# KiCad board AmigaPCI Mainboard.kicad_pcb (continued)
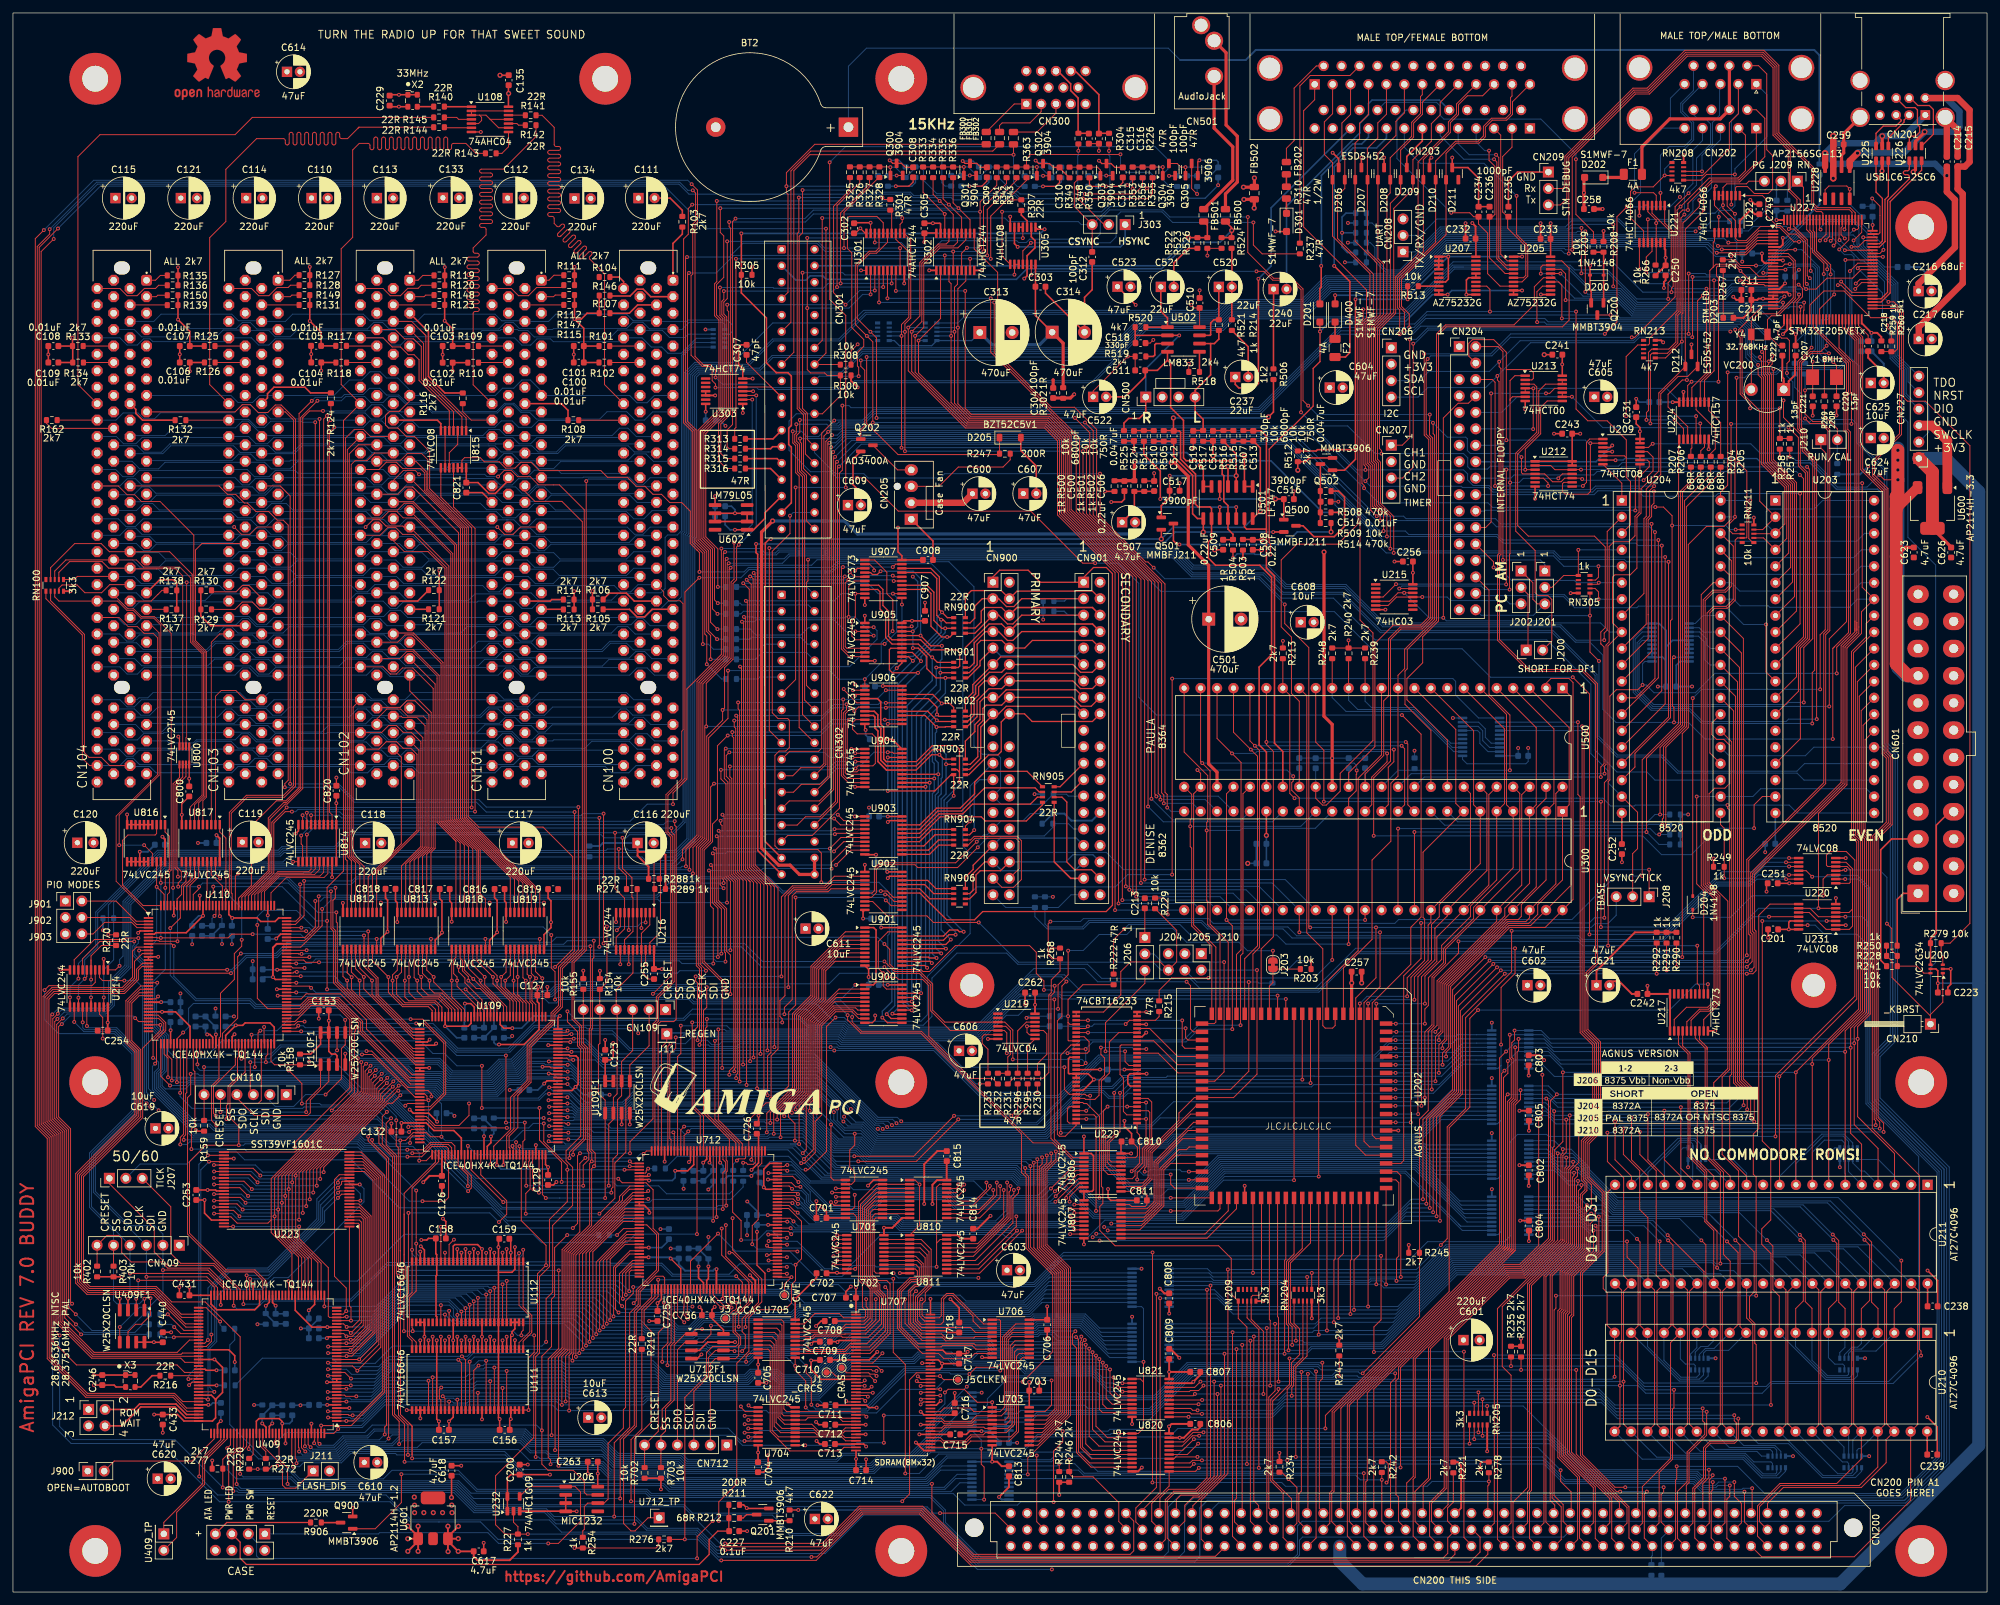
[diagram p0: board, top side]
## Routing (per net, layer and track width the routed paths; a pad name or vN(x,y) marks a point on that pad's centre or on a via; arc(x,y) is an arc through that point) (continued)
DRA6-5: length 20.5
  Top w0.15: U202.48 181.61,68.73 181.2,68.32 179.99,68.32 177.09,65.42 177.09,59.89 174.44,57.24 U807.15
DRA7-6: length 20.2
  Top w0.15: U807.14 174.21,56.58 177.39,59.77 177.39,65.29 179.56,67.46 U202.49
DRA8-7: length 20
  Top w0.15: U202.50 178.71,66.19 177.69,65.17 177.69,59.64 173.99,55.94 U807.13
DRA9-8: length 29.7
  Top w0.15: U229.37 163.35,84.48 161.79,82.92 v1(161.79,70.91) ; v1(168.88,70.29) 168.65,70.06 168.65,65.81 169.34,65.12 U806.16
  Bottom w0.15: v1(168.88,70.29) 168.25,70.91 161.8,70.91 v1(161.79,70.91)
DRD0: length 145
  Top w0.15: U810.18 145.67,62.32 145.93,62.59 v1(145.93,62.94) ; v1(215.27,91.99) 215.27,94.85 217.96,97.54 217.96,103.94 217.71,104.19 217.71,114.25 U300.7 222.77,121.78 222.77,133.19 U500.10 ; U202.14 v1(207.96,90.88)
  In3.Cu w0.15: v1(207.96,90.88) 207.96,86.96 206.81,85.8 163.82,85.8 161.47,83.45 161.47,78.95 145.93,63.41 v1(145.93,62.94)
  Bottom w0.15: v1(207.96,90.88) 209.07,91.99 v1(215.27,91.99)
DRD1: length 147.5
  Top w0.15: v1(216.38,91.46) 216.38,94.98 219.02,97.62 219.02,103.09 220.22,104.29 220.22,106.15 226.55,112.48 U300.6 225.53,121.57 225.53,132.98 U500.9 ; U202.13 v1(209.23,90.88) ; v1(146.87,62.92) 145.62,61.68 U810.17
  In3.Cu w0.15: v1(146.87,62.92) 149.71,65.76 149.71,66.76 161.77,78.82 161.77,83.33 163.95,85.5 208.31,85.5 209.23,86.43 v1(209.23,90.88)
  Bottom w0.15: v1(209.23,90.88) 209.81,91.46 v1(216.38,91.46)
DRD2: length 149.4
  Top w0.15: v1(218.01,90.86) 218.01,95.12 220.6,97.7 220.6,99.87 225.04,104.3 225.04,105.91 229.09,109.96 U300.5 230.31,121.76 230.31,133.28 U500.7 ; U202.12 210.5,90.85 v1(210.51,90.86) ; v1(146.85,62.07) 145.81,61.02 U810.16
  In3.Cu w0.15: v1(146.85,62.07) 150.01,65.23 150.01,66.64 163.54,80.17 163.54,83.49 165.26,85.2 209.1,85.2 210.51,86.62 v1(210.51,90.86)
  Bottom w0.15: v1(210.51,90.86) v1(218.01,90.86)
DRD3: length 150.7
  Top w0.15: v1(213.51,87.76) 213.49,87.78 U202.11 ; U810.15 148.46,60.38 150.31,62.22 v1(150.31,63.24) ; U500.6 230.61,135.52 230.61,121.57 U300.4 231.63,111.83 225.52,105.73 225.52,104.02 220.9,99.39 220.9,97.21 218.54,94.85 218.54,90.57 218,90.03 v1(218,87.76)
  In3.Cu w0.15: v1(150.31,63.24) 150.31,66.51 163.84,80.05 163.84,83.36 165.39,84.91 210.65,84.91 v1(213.51,87.76)
  Bottom w0.15: v1(218,87.76) v1(213.51,87.76)
DRD4: length 154.6
  Top w0.15: U202.10 213.58,86.51 v1(213.59,86.5) ; v1(219.62,86.5) 220.18,87.06 220.18,94.25 230.34,104.41 230.34,105.61 234.17,109.44 U300.3 235.19,121.57 235.19,133.47 U500.5 ; v1(150.84,62.71) 150.84,62.32 148.24,59.72 U810.14
  In3.Cu w0.15: v1(213.59,86.5) 211.69,84.6 165.51,84.6 164.14,83.24 164.14,79.92 150.84,66.62 v1(150.84,62.71)
  Bottom w0.15: v1(213.59,86.5) v1(219.62,86.5)
DRD5: length 158.3
  Top w0.15: U500.4 237.93,133.28 237.93,121.76 U300.2 236.71,109.96 232.89,106.14 232.89,104.33 232.39,103.83 230.61,103.83 220.78,94 220.78,86.49 220.17,85.88 v1(220.17,85.23) ; v1(151.36,62.08) 151.36,61.2 149.24,59.07 U810.13 ; v1(213.48,85.23) 212.02,85.23
  In3.Cu w0.15: v1(213.48,85.23) 211.04,82.79 164.99,82.79 164.44,82.24 164.44,79.8 151.36,66.72 v1(151.36,62.08)
  Bottom w0.15: v1(213.48,85.23) v1(220.17,85.23)
DRD6: length 161.3
  Top w0.15: v1(151.9,63.24) 151.9,61.32 149.01,58.43 U810.12 ; U500.3 240.27,133.47 240.27,121.57 U300.1 239.25,109.96 235.42,106.13 235.42,104.65 234,103.23 230.86,103.23 221.38,93.75 221.38,85.27 220.71,84.6 v1(220.71,83.97) ; v1(213.48,83.97) U202.8
  In3.Cu w0.15: v1(213.48,83.97) 211.97,82.46 165.09,82.46 164.74,82.12 164.74,79.68 151.9,66.83 v1(151.9,63.24)
  Bottom w0.15: v1(220.71,83.97) v1(213.48,83.97)
DRD7: length 167.1
  Top w0.15: v1(152.43,62.68) 152.43,60.93 149.27,57.77 U810.11 ; v1(221.27,82.7) 221.27,83.36 221.98,84.07 221.98,93.5 231.11,102.63 236.57,102.63 U300.48 240.88,106.93 240.88,140.44 240.24,141.08 237.47,141.08 236.71,140.32 U500.2 ; U202.7 v1(213.59,82.7)
  In3.Cu w0.15: v1(152.43,62.68) 152.43,66.93 153,67.51 167.65,82.16 213.05,82.16 v1(213.59,82.7)
  Bottom w0.15: v1(221.27,82.7) v1(213.59,82.7)
DRD8: length 164.1
  Top w0.15: U500.1 240.57,138.25 240.57,109.17 U300.47 234.33,102.93 230.98,102.93 221.68,93.63 221.68,84.2 220.73,83.25 v1(220.73,81.42) ; U811.18 148.96,53.8 152.97,57.81 v1(152.97,62.08) ; v1(213.49,81.42) 212.02,81.42
  In3.Cu w0.15: v1(152.97,62.08) 152.97,67.05 153.2,67.29 167.78,81.86 213.05,81.86 v1(213.49,81.42)
  Bottom w0.15: v1(220.73,81.42) v1(213.49,81.42)
DRD9: length 149
  Top w0.15: v1(153.5,63.24) 153.5,57.91 148.73,53.14 144.17,53.14 ; U500.48 238.23,123.31 238.23,109.36 U300.46 234.17,104.12 233.58,103.53 230.73,103.53 221.08,93.88 221.08,85.4 220.17,84.49 v1(220.17,80.17) ; v1(213.48,80.17) 212.02,80.17
  In3.Cu w0.15: v1(153.5,63.24) 153.5,67.15 167.9,81.56 212.09,81.56 v1(213.48,80.17)
  Bottom w0.15: v1(220.17,80.17) v1(213.48,80.17)
DRD10: length 147.7
  Top w0.15: v1(219.63,78.88) 219.63,85.77 220.48,86.62 220.48,94.13 231.63,105.28 ; v1(213.48,78.88) 212.02,78.88 ; U500.47 236.71,122.57 235.19,121.05 235.19,108.87 U300.45 ; U811.16 148.5,52.5 153.8,57.78 153.8,61.77 154.02,62 v1(154.02,62.69)
  In3.Cu w0.15: v1(154.02,62.69) 154.02,67.25 166.58,79.81 167.97,79.81 169.41,81.26 211.1,81.26 v1(213.48,78.88)
  Bottom w0.15: v1(219.63,78.88) v1(213.48,78.88)
DRD11: length 148.3
  Top w0.15: v1(219.07,77.62) 219.07,86.7 219.88,87.51 219.88,94.37 229.09,103.58 U300.44 232.95,109.17 232.95,123.12 U500.46 ; v1(213.47,77.62) U202.3 ; v1(154.55,62.08) 154.55,61.5 154.1,61.05 154.1,57.66 148.28,51.84 144.17,51.84
  In3.Cu w0.15: v1(154.55,62.08) 154.55,63.41 154.32,63.64 154.32,67.13 165.59,78.4 167.12,78.4 168.68,79.96 173.72,79.96 174.67,80.91 210.18,80.91 v1(213.47,77.62)
  Bottom w0.15: v1(219.07,77.62) v1(213.47,77.62)
DRD12: length 150
  Top w0.15: U500.45 232.65,123.31 232.65,111.41 U300.43 226.55,104.56 226.49,104.56 221.2,99.27 221.2,97.09 219.1,94.99 219.1,87.58 218,86.47 v1(218,76.35) ; U811.14 148.58,51.19 154.39,57 154.39,60.77 155.25,61.63 v1(155.25,62.32) ; v1(213.47,76.34) 212.02,76.34
  In3.Cu w0.15: v1(155.25,62.32) 155.25,63.13 154.62,63.76 154.62,67.01 165.72,78.1 167.24,78.1 168.8,79.66 173.84,79.66 174.79,80.61 209.19,80.61 v1(213.47,76.34)
  Bottom w0.15: v1(213.47,76.34) 213.48,76.35 v1(218,76.35)
DRD13: length 149.6
  Top w0.15: U500.44 227.88,123.12 227.88,109.17 U300.42 219.85,101.14 219.85,97.38 217.47,95 v1(217.47,75.08) ; v1(154.92,58) 154.92,56.44 149.02,50.55 U811.13 ; v1(213.46,75.08) U202.1
  In3.Cu w0.15: v1(154.92,58) 154.92,60.78 155.78,61.64 155.78,63.03 154.92,63.89 154.92,66.88 165.84,77.8 167.37,77.8 168.91,79.35 197.1,79.35 197.41,79.66 208.88,79.66 v1(213.46,75.08)
  Bottom w0.15: v1(217.47,75.08) v1(213.46,75.08)
DRD14: length 151
  Top w0.15: v1(216.96,73.81) 216.93,73.84 216.93,95.02 219.55,97.64 219.55,102.47 219.54,102.48 221.47,104.41 U300.41 227.57,111.41 227.57,123.31 U500.43 ; U811.12 149.12,49.89 v1(155.03,55.81) ; v1(213.5,73.81) U202.84
  In3.Cu w0.15: v1(155.03,55.81) 155.44,56.22 155.44,60.88 156.08,61.51 156.08,63.15 155.22,64.01 155.22,66.76 165.97,77.5 167.49,77.5 168.27,78.28 199.29,78.28 200.13,79.12 208.19,79.12 v1(213.5,73.81)
  Bottom w0.15: v1(216.96,73.81) v1(213.5,73.81)
DRD15: length 150.6
  Top w0.15: U811.11 149.26,49.25 v1(155.82,55.81) ; v1(215.82,72.53) 215.82,90.74 215.85,90.77 215.85,94.93 218.5,97.58 218.5,102.99 218.93,103.42 U300.40 225.04,111.41 225.04,123.31 U500.42 ; v1(213.49,72.53) 212.02,72.53
  In3.Cu w0.15: v1(155.82,55.81) 155.82,60.83 156.4,61.41 156.4,63.26 155.52,64.14 155.52,66.63 166.09,77.2 167.61,77.2 168.4,77.98 208.04,77.98 v1(213.49,72.53)
  Bottom w0.15: v1(215.82,72.53) v1(213.49,72.53)
DRDDIR: length 34.3
  Top w0.15: U810.1 139.3,63.62 v1(139.98,62.94) 139.98,56.63 U811.1 ; U712.107 119.05,65.7 119.29,65.94 v1(119.56,65.94)
  Bottom w0.15: v1(119.56,65.94) 120.24,65.94 123.01,63.16 128.72,63.16 129.76,62.13 133.02,62.13 133.83,62.94 v1(139.98,62.94)
FANPWM: length 208.5
  Top w0.15: Q202.1 130.9,178.63 130.91,178.63 130.91,179.52 131.51,180.12 131.51,188.67 130.91,189.27 v1(130.91,190.19) ; U227.95 275.95,214.98 274.44,216.5 274.44,220.38 274.41,220.4 274.41,222.73 272.06,225.09 272.06,235.51 270.09,237.47 258.41,237.47 252.56,231.62 250.37,231.62 240.22,221.47 v1(240.22,206.68)
  Bottom w0.15: v1(240.22,206.68) 239.58,206.68 239.07,207.19 221.85,207.19 215.48,200.82 203.61,200.82 199.99,197.21 188.42,197.21 186.61,195.4 174.67,195.4 169.45,190.18 130.92,190.18 v1(130.91,190.19)
FANTACH: length 228.7
  Top w0.15: 152.19,175.64 136.65,175.64 133.37,178.93 133.33,178.93 131.81,180.45 v1(131.81,190.71) ; R247.2 152.33,178.26 ; v1(240.75,207.26) 240.75,221.57 250.5,231.32 252.69,231.32 258.53,237.17 269.97,237.17 271.75,235.38 271.75,224.96 274.11,222.61 274.11,216.4 275.45,215.06 U227.96
  Bottom w0.15: v1(240.75,207.26) 239.74,207.26 239.51,207.49 221.72,207.49 215.36,201.12 203.48,201.12 199.86,197.51 188.3,197.51 186.6,195.81 174.66,195.81 169.56,190.71 131.81,190.71 v1(131.81,190.71)
FBANK0: length 40.7
  Top w0.15: U409.85 29.84,37.91 30.63,38.7 v1(30.63,39.77) ; v1(50.18,63.22) 50.18,63.5 50.62,63.94 U223.16
  Bottom w0.15: v1(30.63,39.77) 30.63,47.05 33.32,49.74 39.46,49.74 47.22,57.49 47.22,60.26 v1(50.18,63.22)
FBANK1: length 45.7
  Top w0.15: v1(30.11,38.92) 29.6,38.41 U409.84 ; U223.9 v1(53.64,60.44)
  Bottom w0.15: v1(53.64,60.44) 53.64,61.51 51.4,63.75 49.96,63.75 46.92,60.71 46.92,57.62 39.34,50.03 33.2,50.03 30.11,46.95 v1(30.11,38.92)
FLTLEFT: length 78.5
  Top w0.25: FB500.1 188.15,210.7 188.15,210.28 v2(188.18,210.25) 188.15,210.22 188.15,209.14 186.61,209.14
  Bottom w0.25: CN301.3 120.93,202.56 122.41,202.56 123.09,203.24 125.04,203.24 125.58,202.7 154.93,202.7 156.57,204.34 177.34,204.34 181.42,208.42 186.36,208.42 v2(188.18,210.25)
FLTRIGHT: length 65.2
  Top w0.25: FB501.1 184.41,211.09 184.41,209.14 181.51,209.14 v2(181.51,209.15)
  Bottom w0.25: CN301.4 177.16,204.8 v2(181.51,209.15)
FRDY: length 48.5
  Top w0.15: v1(30.12,29.73) 29.84,29.73 29.66,29.91 U409.101 ; U223.15 50.84,63.44 50.74,63.34 50.74,63 v1(50.18,62.44)
  Bottom w0.15: v1(30.12,29.73) 30.12,37.76 31.16,38.8 31.16,47.15 33.44,49.44 39.58,49.44 47.52,57.37 47.52,59.78 v1(50.18,62.44)
G0: length 116.2
  Top w0.15: v1(108.77,148.7) 107.72,149.75 107.72,160.92 106.07,162.56 106.07,179.28 109.31,182.51 109.31,196.54 108.63,197.21 108.63,201.89 109.75,203 109.75,209.41 109.21,209.95 v1(109.21,213.69) ; U302.12 147.77,211.91 v1(145.99,213.69) 145.16,214.52 R336.1
  Bottom w0.15: v1(145.99,213.69) v1(109.21,213.69) ; R320.2 v1(108.77,148.7)
G1: length 122.9
  Top w0.15: v1(104.87,214.24) 104.28,213.64 104.28,209.67 103.55,208.94 103.55,180.54 104.88,179.21 104.88,162.07 106.51,160.43 106.51,146.38 v1(106.52,146.37) ; R335.1 143.61,215.14 v1(144.51,214.24) 146.47,212.28 U302.14
  Bottom w0.15: R321.2 108.15,145.59 107.37,146.37 v1(106.52,146.37) ; v1(104.87,214.24) v1(144.51,214.24)
G2: length 116.3
  Top w0.15: v1(108.67,214.81) 108.67,202.35 108.34,202.02 108.34,197.08 109,196.41 109,182.63 105.78,179.4 105.78,162.44 107.41,160.8 107.41,148.45 v1(108.72,147.14) ; U302.16 145.17,212.73 v1(143.09,214.81) 142.07,215.83 R334.1
  Bottom w0.15: v1(143.09,214.81) v1(108.67,214.81) ; v1(108.72,147.14) R322.2
G3: length 82.7
  Top w0.15: U302.18 143.87,212.79 v1(143.87,212.79) 140.52,216.14 R333.1 ; R315.2 110.09,175.02 109.29,175.82 109.29,180.37 110.81,181.88 110.81,210.59 110.58,210.82 v1(110.58,211.56)
  Bottom w0.15: v1(143.87,212.79) 123.59,212.79 122.36,211.56 v1(110.58,211.56)
GREEN: length 65.9
  Top w0.15: FB301.2 151.28,222.51 v1(143.42,222.51) 123.18,222.51 120.12,219.45 120.12,196.07 CN301.11
  Bottom w0.15: v1(143.42,222.51) 143.42,217.61 143.92,217.11 R340.2
ICLK7: length 4.9
  Top w0.15: v1(156.5,88.66) U219.13
  Bottom w0.15: v1(156.5,88.66) 156.76,88.92 R238.1
IDEDIR: length 105.6
  Top w0.15: v1(130.06,93.76) U900.1 ; U110.84 v1(40.88,92.09)
  Top w0.25: U901.1 132.9,102.6 133.26,102.24 133.26,94.18 132.84,93.76 U900.1
  Bottom w0.15: v1(130.06,93.76) 128.03,91.73 106.91,91.73 105.75,92.9 84.19,92.9 83.23,91.94 41.59,91.94 41.44,92.09 v1(40.88,92.09)
IDSEL0: length 135.8
  Top w0.15: v1(86.49,67.53) 86.49,68.05 88.38,69.94 88.38,83.96 87.76,84.58 87.76,87.44 86.62,88.57 86.62,97.22 88.51,99.1 88.51,171.54 v1(88.52,171.55) ; U109.48 70.23,68.88 v1(70.24,68.89)
  Bottom w0.15: v1(88.52,171.55) 88.84,171.87 95.06,171.87 96.25,170.68 99.24,170.68 ; v1(86.49,67.53) 86.49,67.53 71.59,67.53 v1(70.24,68.89)
IDSEL1: length 114.1
  Top w0.15: U109.61 76.73,68.54 76.6,68.66 76.6,70.38 77.95,71.72 77.95,76.67 79.99,78.71 79.99,84.21 83.68,87.9 83.68,89.18 84.82,90.32 84.82,96.27 87.91,99.35 87.91,165.27 84.76,168.42 80.59,168.42 79.04,169.96 CN101.A26
IDSEL2: length 150.9
  Top w0.13: v1(74.9,172.25) 75.83,173.18 76.98,173.18 77.93,172.23 79.87,172.23 81.13,170.97 83.4,170.97 ; CN102.A26 58.72,171.64 60.26,173.18 62.12,173.18 v1(62.7,172.6)
  Top w0.15: v1(85.92,67.01) 85.92,67.9 88.09,70.07 88.09,83.84 87.46,84.46 87.46,87.31 86.32,88.45 86.32,97.34 88.21,99.23 88.21,167.13 84.37,170.97 83.4,170.97 ; U109.55 v1(73.73,66.06)
  Bottom w0.13: v1(62.7,172.6) 72.84,172.6 73.2,172.24 74.89,172.24 v1(74.9,172.25)
  Bottom w0.15: v1(73.73,66.06) 73.73,66.13 74.61,67.01 v1(85.92,67.01)
IDSEL3: length 153.8
  Top w0.15: v1(42.8,124.79) 42.8,169.26 41.25,170.8 CN103.A26 ; U109.60 76.23,70.42 77.36,71.55 77.36,76.5 79.69,78.83 79.69,84.33 83.38,88.02 83.38,89.3 84.53,90.45 84.53,96.39 87.3,99.17 v1(87.3,121.21)
  Bottom w0.15: v1(42.8,124.79) 50.3,124.79 52.72,122.37 71.93,122.37 73.09,121.21 v1(87.3,121.21)
IDSEL4: length 173.7
  Top w0.15: v1(86.72,120.45) 86.72,99.01 84.22,96.51 84.22,90.57 83.08,89.43 83.08,88.15 79.39,84.46 79.39,78.96 76.83,76.4 76.83,73.12 ; CN104.A26 31.82,170.8 33.12,169.5 34.39,169.5 35.72,168.17 36.2,168.17 37.53,166.84 39.49,166.84 40.81,165.52 41.73,165.52 42.5,164.75 42.5,125.36 41.98,124.84 v1(41.98,124.27) ; 76.83,73.12 76.83,71.45 ; 76.83,73.12 76.83,71.45 ; 76.83,71.45 74.23,68.85 U109.56
  Bottom w0.15: v1(86.72,120.45) 73.08,120.45 71.56,121.97 52.7,121.97 50.4,124.26 41.99,124.26 v1(41.98,124.27)
INTRP: length 102.5
  Top w0.15: v1(134,108.25) 134.97,108.25 135.93,107.29 U902.14 ; v1(44.95,109.81) 44.95,104.44 43.6,103.09 U110.106
  Bottom w0.15: v1(44.95,109.81) 52.35,109.81 52.97,110.44 116.69,110.44 118.88,108.25 v1(134,108.25)
INTRS: length 102.1
  Top w0.15: v1(134.67,107.72) 134.96,107.72 136.05,106.64 U902.13 ; v1(44.33,109.28) 44.33,104.24 43.68,103.59 U110.107
  Bottom w0.15: v1(134.67,107.72) 132.69,107.72 132.46,107.95 118.76,107.95 116.57,110.13 53.1,110.13 52.25,109.28 v1(44.33,109.28)
IORDY: length 100.7
  Top w0.15: v1(71.34,120.51) 71.35,120.52 71.35,164.24 68.02,167.57 U815.11 ; v1(43.07,120.51) 42.04,120.51 40.28,118.75 40.28,111.03 36.84,107.6 U110.116
  Bottom w0.15: v1(71.34,120.51) 52.7,120.51 52.35,120.85 44,120.85 43.66,120.51 v1(43.07,120.51)
KBData: length 64.8
  Top w0.15: v1(283.62,203.98) 284.85,205.2 U227.65 ; RN211.3 265.54,163.42 264.99,163.97 264.99,164.93 265.88,165.82 v1(265.88,166.02) 265.88,174.84 266.13,175.09 v1(266.13,187.51)
  Bottom w0.15: v1(266.13,187.51) 267.37,187.51 267.9,188.04 272.29,188.04 273.02,188.76 282.02,188.76 283.62,190.36 v1(283.62,203.98) ; v1(265.88,166.02) U204.39
LATCHAD: length 116
  Top w0.13: v1(62.26,53.8) 62.26,54.77 ; U112.2 78.13,44.28 79.81,42.61 79.81,40.19 78.13,38.52 U111.2
  Top w0.15: v1(78.14,52.33) 78.13,52.32 U112.2 ; v1(43.56,68.7) 43.56,69.44 52.01,77.89 52.01,88.38 49.82,90.57 46.01,90.57 43.53,88.09 U110.76 ; U111.27 62.26,38.58 61.2,39.64 61.2,45.42 62.26,46.48 U112.27 v1(62.26,53.8) ; 62.26,54.77 v1(62.26,62)
  Bottom w0.15: v1(62.26,53.8) 62.26,52.33 63.1,51.49 77.3,51.49 v1(78.14,52.33) ; v1(62.26,62) 56.18,68.08 53.9,68.08 53.28,68.7 v1(43.56,68.7)
LBC: length 163.2
  Top w0.15: v1(109.95,7.51) 124.95,7.51 130.68,13.25 140.47,13.25 148.2,5.52 185.66,5.52 187.25,7.11 ; U409.130 41.08,20.5 42.4,19.18 v1(42.4,16.7)
  Bottom w0.15: v1(42.4,16.7) 42.82,16.27 68.45,16.27 71.55,13.18 103.51,13.18 109.18,7.51 v1(109.95,7.51)
LVA0: length 221.6
  Top w0.15: v1(86.92,36.32) 86.91,36.32 86.91,52.04 95.58,60.7 U712.12 v1(98.09,60.7) ; v1(164.04,40.27) 163.58,39.81 163.58,38.31 164.21,37.68 164.21,27 164.21,27 164.21,21.53 166.46,19.28 172.79,19.28 ; U110.73 v1(44.5,86.59)
  In3.Cu w0.15: v1(98.09,60.7) 96.24,62.55 96.24,85.85 v1(95.13,86.96)
  Bottom w0.15: v1(86.92,36.32) 104.66,36.32 104.9,36.07 113.76,36.07 114.51,36.82 124.72,36.82 127.96,40.06 158.03,40.06 158.38,40.41 160.84,40.41 160.95,40.31 164,40.31 v1(164.04,40.27) ; v1(95.13,86.96) 95.1,86.98 88.65,86.98 88.43,87.21 80.56,87.21 76.73,83.38 68.42,83.38 65.21,86.59 v1(44.5,86.59)
LVA1: length 288
  Top w0.15: U223.25 43.55,67.94 52.72,77.12 52.72,86.48 52.86,86.61 v1(52.86,87.15) ; v1(98.09,61.94) 97.85,61.7 U712.10 95.73,61.7 86.29,52.26 86.29,36.95 85.87,36.52 85.87,28.02 v1(85.87,28.02) ; U409.144 49.53,24.5 v1(50.22,25.18) ; v1(44.06,87.45) 43.7,87.09 U110.74 ; U821.4 171.31,30.95 v1(171.31,30.95)
  In3.Cu w0.15: v1(96.54,86.29) 96.54,63.49 v1(98.09,61.94)
  Bottom w0.15: v1(96.54,86.29) 95.32,87.51 80.44,87.51 76.6,83.67 68.55,83.67 65.38,86.84 65.46,86.77 65.07,87.15 v1(52.86,87.15) 45.13,87.15 44.83,87.45 v1(44.06,87.45) ; v1(50.22,25.18) 50.45,25.41 53.91,25.41 57.38,28.88 83.32,28.88 84.18,28.02 v1(85.87,28.02) 116.33,28.02 116.69,27.66 133.35,27.66 136.98,31.3 142.43,31.3 143.97,32.83 147.87,32.83 148.43,33.39 166.68,33.39 169.12,30.95 v1(171.31,30.95)
LVA2: length 225.9
  Top w0.15: U409.143 v1(47.58,25.71) 52.22,25.71 57.39,30.88 57.39,64.36 53.81,67.94 U223.24 ; U821.3 170.62,31.6 v1(170.61,31.61) ; v1(84.75,28.9) 84.75,36.4 85.69,37.34 85.69,52.51 93.66,60.48 93.66,61.09 95.27,62.7 U712.8 ; U111.38 v1(67.34,29.41)
  Bottom w0.15: v1(170.61,31.61) 168.88,31.61 166.8,33.69 156.23,33.69 155.17,34.75 151.76,34.75 151.5,34.5 137.54,34.5 132.02,28.97 125.16,28.97 124.49,29.64 98,29.64 97.27,28.9 v1(84.75,28.9) 84.47,28.9 83.96,29.41 70.31,29.41 70.09,29.18 68.07,29.18 67.84,29.41 v1(67.34,29.41) 57.49,29.41 53.79,25.71 v1(47.58,25.71)
LVA3: length 215.8
  Top w0.15: U111.40 v1(68.61,29.71) ; v1(85.33,29.43) 85.33,36.45 85.99,37.11 85.99,52.39 94.11,60.51 94.11,61.12 95.19,62.2 U712.9 ; 50,26.42 v1(51.48,26.42) 52.51,26.42 57.09,31 57.09,64.23 53.88,67.44 U223.23 ; 172.79,32.25 171.31,32.25 v1(171.3,32.25)
  Bottom w0.15: v1(171.3,32.25) 171.27,32.28 168.63,32.28 166.92,33.99 156.35,33.99 155.29,35.05 145.23,35.05 144.42,35.85 142.28,35.85 141.22,34.8 129.47,34.8 124.61,29.94 97.88,29.94 97.37,29.43 v1(85.33,29.43) 84.67,29.43 84.39,29.71 v1(68.61,29.71) 68.25,29.71 68.02,29.93 67,29.93 66.78,29.71 57.36,29.71 54.07,26.42 v1(51.48,26.42)
LVA4: length 201.3
  Top w0.15: U712.15 94.5,59.2 87.44,52.13 87.44,36.9 v1(87.44,36.9) ; U223.22 53.96,66.94 56.79,64.11 56.79,37.8 v1(53.17,34.18) 52.44,34.91 U409.18 ; v1(68.77,35.87) 69.25,35.39 U111.41
  Bottom w0.15: v1(53.17,34.18) 56.29,34.18 57.98,35.87 v1(68.77,35.87) 70.06,35.87 71.09,36.9 v1(87.44,36.9) 105.3,36.9 105.66,37.26 106.95,37.26 107.84,36.38 113.64,36.38 114.39,37.12 124.6,37.12 127.84,40.37 157.9,40.37 158.37,40.83 164.72,40.83 169.34,36.21 U804.2
LVA5: length 204.6
  Top w0.15: v1(87.96,37.48) 87.96,37.49 87.96,52.23 94.42,58.7 U712.16 ; U111.42 69.88,35.84 v1(69.33,36.39) ; v1(48.64,35.41) U409.19 53.67,35.41 56.49,38.23 56.49,63.98 54.03,66.44 U223.21
  Bottom w0.15: U804.3 169.11,36.86 164.84,41.13 158.25,41.13 157.78,40.66 127.71,40.66 124.47,37.43 114.26,37.43 113.51,36.68 107.96,36.68 107.07,37.56 105.54,37.56 105.46,37.48 v1(87.96,37.48) 71.25,37.48 70.16,36.39 v1(69.33,36.39) 58.08,36.39 56.49,34.81 49.24,34.81 v1(48.64,35.41)
LVA6: length 191.7
  Top w0.15: v1(88.48,38.05) 88.49,38.06 88.49,52.34 94.35,58.2 U712.17 ; U223.20 54.11,65.94 56.19,63.86 56.19,38.68 v1(53.45,35.94) 53.43,35.91 U409.20 ; v1(66.7,42.86) 66.71,42.85 U112.37
  Bottom w0.15: v1(53.45,35.94) 60.38,42.86 v1(66.7,42.86) 68.12,41.44 85.09,41.44 v1(88.48,38.05) 107.01,38.05 107.34,37.72 107.89,37.72 ; 107.89,37.72 107.43,37.72 ; 107.89,37.72 124.35,37.72 127.59,40.96 157.65,40.96 158.12,41.43 164.97,41.43 168.89,37.51 U804.4
LVA7: length 194
  Top w0.15: U223.19 54.18,65.44 55.89,63.73 55.89,40 52.32,36.44 v1(51.51,36.44) 51.49,36.41 U409.21 ; v1(89.01,38.64) 89.01,38.64 89.01,52.44 94.27,57.7 U712.18 ; U112.38 v1(67.34,43.42)
  Bottom w0.15: 69.01,41.75 68.49,41.75 ; 69.01,41.75 85.91,41.75 ; 69.01,41.75 68.49,41.75 ; 68.49,41.75 67.34,42.9 v1(67.34,43.42) 60.51,43.42 53.56,36.47 51.54,36.47 v1(51.51,36.44) ; 85.91,41.75 87.69,39.95 ; 85.91,41.75 87.69,39.95 ; U804.5 168.66,38.16 165.09,41.73 158,41.73 157.53,41.26 127.46,41.26 125.09,38.89 122.8,38.89 121.93,38.02 107.55,38.02 106.98,38.59 89.06,38.59 v1(89.01,38.64) 87.69,39.95
LVA8: length 193.8
  Top w0.15: U223.18 54.26,64.94 55.59,63.61 55.59,40.13 52.32,36.85 51.87,36.85 51.76,36.96 50.04,36.96 ; v1(89.54,39.23) 89.53,39.24 89.53,52.54 94.22,57.22 96.68,57.22 ; U112.36 v1(66.07,44.3) ; v1(48.65,36.91) U409.22
  Bottom w0.15: U804.6 168.44,38.81 165.21,42.03 157.87,42.03 157.41,41.56 127.34,41.56 124.97,39.19 105.9,39.19 105.59,38.89 101.92,38.89 101.58,39.23 v1(89.54,39.23) 86.5,42.27 68.39,42.27 68.01,42.65 68.01,43.7 67.42,44.3 v1(66.07,44.3) 60.96,44.3 53.5,36.83 51.88,36.83 51.75,36.96 48.7,36.96 v1(48.65,36.91)
LVA9: length 178.3
  Top w0.15: v1(52.1,37.38) 52.23,37.38 55.29,40.44 55.29,58.06 53.41,59.94 U223.8 ; v1(90.06,39.8) 90.06,39.81 90.06,50.94 94.81,55.7 U712.22 ; U112.40 v1(68.61,42.8) ; 52.1,37.41 U409.23
  Bottom w0.15: v1(52.1,37.38) 53.62,37.38 61.06,44.82 67.32,44.82 68.61,43.53 v1(68.61,42.8) 87.06,42.8 v1(90.06,39.8) 90.09,39.82 101.41,39.82 102.04,39.19 105.11,39.19 105.41,39.5 124.85,39.5 127.22,41.87 157.28,41.87 157.75,42.33 165.34,42.33 168.21,39.46 U804.7
LVA10: length 180.4
  Top w0.15: v1(69.24,43.32) 69.25,43.31 U112.41 ; v1(48.66,37.9) 49.98,37.9 ; U712.23 94.74,55.2 90.58,51.04 v1(90.58,40.39) ; 50,37.9 52.33,37.9 54.99,40.56 54.99,57.94 53.49,59.44 U223.7
  Bottom w0.15: v1(48.66,37.9) 48.66,37.9 53.72,37.9 60.94,45.12 67.44,45.12 v1(69.24,43.32) 87.65,43.32 v1(90.58,40.39) 90.59,40.38 97.23,40.38 97.49,40.12 101.53,40.12 102.17,39.49 104.98,39.49 105.29,39.8 124.72,39.8 127.09,42.16 157.16,42.16 157.63,42.63 165.46,42.63 167.99,40.11 U804.8
LVA11: length 174.2
  Top w0.15: U712.24 94.66,54.7 91.15,51.19 v1(91.15,40.91) ; 50.01,38.43 v1(51.48,38.43) 52.43,38.43 54.69,40.69 54.69,57.81 53.56,58.94 U223.6 ; U112.42 v1(69.88,43.84)
  Bottom w0.15: U804.9 167.76,40.76 165.59,42.93 157.5,42.93 157.12,42.55 121.62,42.55 120.74,41.66 106.73,41.66 104.86,39.79 102.29,39.79 101.66,40.43 97.62,40.43 97.14,40.9 91.15,40.9 v1(91.15,40.91) 88.21,43.84 v1(69.88,43.84) 68.31,45.42 60.81,45.42 53.82,38.43 v1(51.48,38.43)
LVA12: length 171.4
  Top w0.15: v1(91.69,41.43) 91.69,51.3 94.59,54.2 U712.25 ; 50.04,38.95 v1(52.16,38.95) 52.53,38.95 54.39,40.81 54.39,57.69 53.64,58.44 U223.5 ; v1(70.52,44.37) 70.51,44.37 U112.43
  Bottom w0.15: 172.79,44.72 158.87,44.72 158.75,44.6 ; 158.75,44.6 158.87,44.73 ; 158.75,44.6 156.99,42.85 121.5,42.85 120.62,41.96 106.61,41.96 104.74,40.09 102.42,40.09 101.78,40.72 97.74,40.72 97.04,41.43 v1(91.69,41.43) 88.75,44.37 v1(70.52,44.37) 69.17,45.72 60.69,45.72 53.92,38.95 v1(52.16,38.95)
LVA13: length 170.4
  Top w0.15: U409.28 51.07,39.91 v1(51.5,39.48) 52.39,39.48 54.09,41.18 54.09,57.57 53.72,57.94 U223.4 ; U112.44 v1(71.15,44.89) ; U712.26 94.51,53.7 92.21,51.39 92.21,41.99 v1(92.21,41.98)
  Bottom w0.15: 158.89,45.17 156.87,43.15 121.38,43.15 120.49,42.26 106.48,42.26 104.68,40.46 102.47,40.46 101.68,41.25 97.64,41.25 96.91,41.98 v1(92.21,41.98) 89.29,44.89 v1(71.15,44.89) 70.03,46.02 60.57,46.02 54.03,39.48 v1(51.5,39.48) ; 158.89,45.17 159.09,45.38 U805.3 ; 158.89,45.17 159.1,45.38
LVA14: length 166.2
  Top w0.15: U223.3 53.48,57.44 53.79,57.13 53.79,41.62 v1(52.17,40) 51.76,40.41 U409.29 ; U712.28 95.28,52.7 92.74,50.16 92.74,42.57 v1(92.73,42.56) ; v1(71.79,45.42) 71.78,45.41 U112.45
  Bottom w0.15: v1(52.17,40) 54.13,40 60.44,46.32 70.89,46.32 v1(71.79,45.42) 89.87,45.42 v1(92.73,42.56) 100.8,42.56 102.6,40.76 104.55,40.76 106.36,42.56 120.37,42.56 121.25,43.45 156.74,43.45 159.32,46.02 U805.4
LVA15: length 165.8
  Top w0.15: U409.31 51.05,41.41 v1(51.53,40.94) 52.41,40.94 53.49,42.01 53.49,56.77 53.32,56.94 U223.2 ; U712.29 95.2,52.2 93.04,50.04 93.04,44.56 ; 93.04,43.65 93.04,44.56 ; 93.04,44.56 93.04,43.63 v1(93.51,43.16) ; 73.06,41.65 73.06,45.94 v1(73.06,45.94)
  Bottom w0.15: 159.37,46.49 156.62,43.75 121.13,43.75 120.24,42.87 106.24,42.87 104.43,41.06 102.72,41.06 100.62,43.16 v1(93.51,43.16) 90.73,45.94 v1(73.06,45.94) 72.43,45.94 71.75,46.62 60.32,46.62 54.63,40.94 v1(51.53,40.94) ; 159.37,46.49 159.55,46.68 ; 159.37,46.49 159.55,46.68 U805.5
LVA16: length 156.7
  Top w0.15: v1(94.06,44.14) 93.64,44.56 93.64,49.15 95.69,51.2 U712.31 ; U409.32 v1(52.19,41.91) 52.19,43.92 51.95,44.16 U223.1 ; U112.48 v1(73.69,46.47)
  Bottom w0.15: U805.6 160.4,47.32 160.39,47.33 159.78,47.33 156.5,44.05 121,44.05 120.12,43.16 104.96,43.16 104.43,43.69 94.51,43.69 v1(94.06,44.14) 91.73,46.47 v1(73.69,46.47) 73.08,46.47 72.63,46.92 60.19,46.92 55.18,41.91 v1(52.19,41.91)
